# Altium PCB CL-HC-M-V2.2.PcbDoc (part 18 of 18)
Units mil, origin at the board's own origin, x right, y up, seen from the top; angles counter-clockwise.
Board outline 27559.06 x 27559.06 mil, 2 copper layers (TopLayer, BottomLayer); 684 components, 528 nets, 2380 pads, 1851 vias.
Unrouted connection lines stored in the file: 1268.
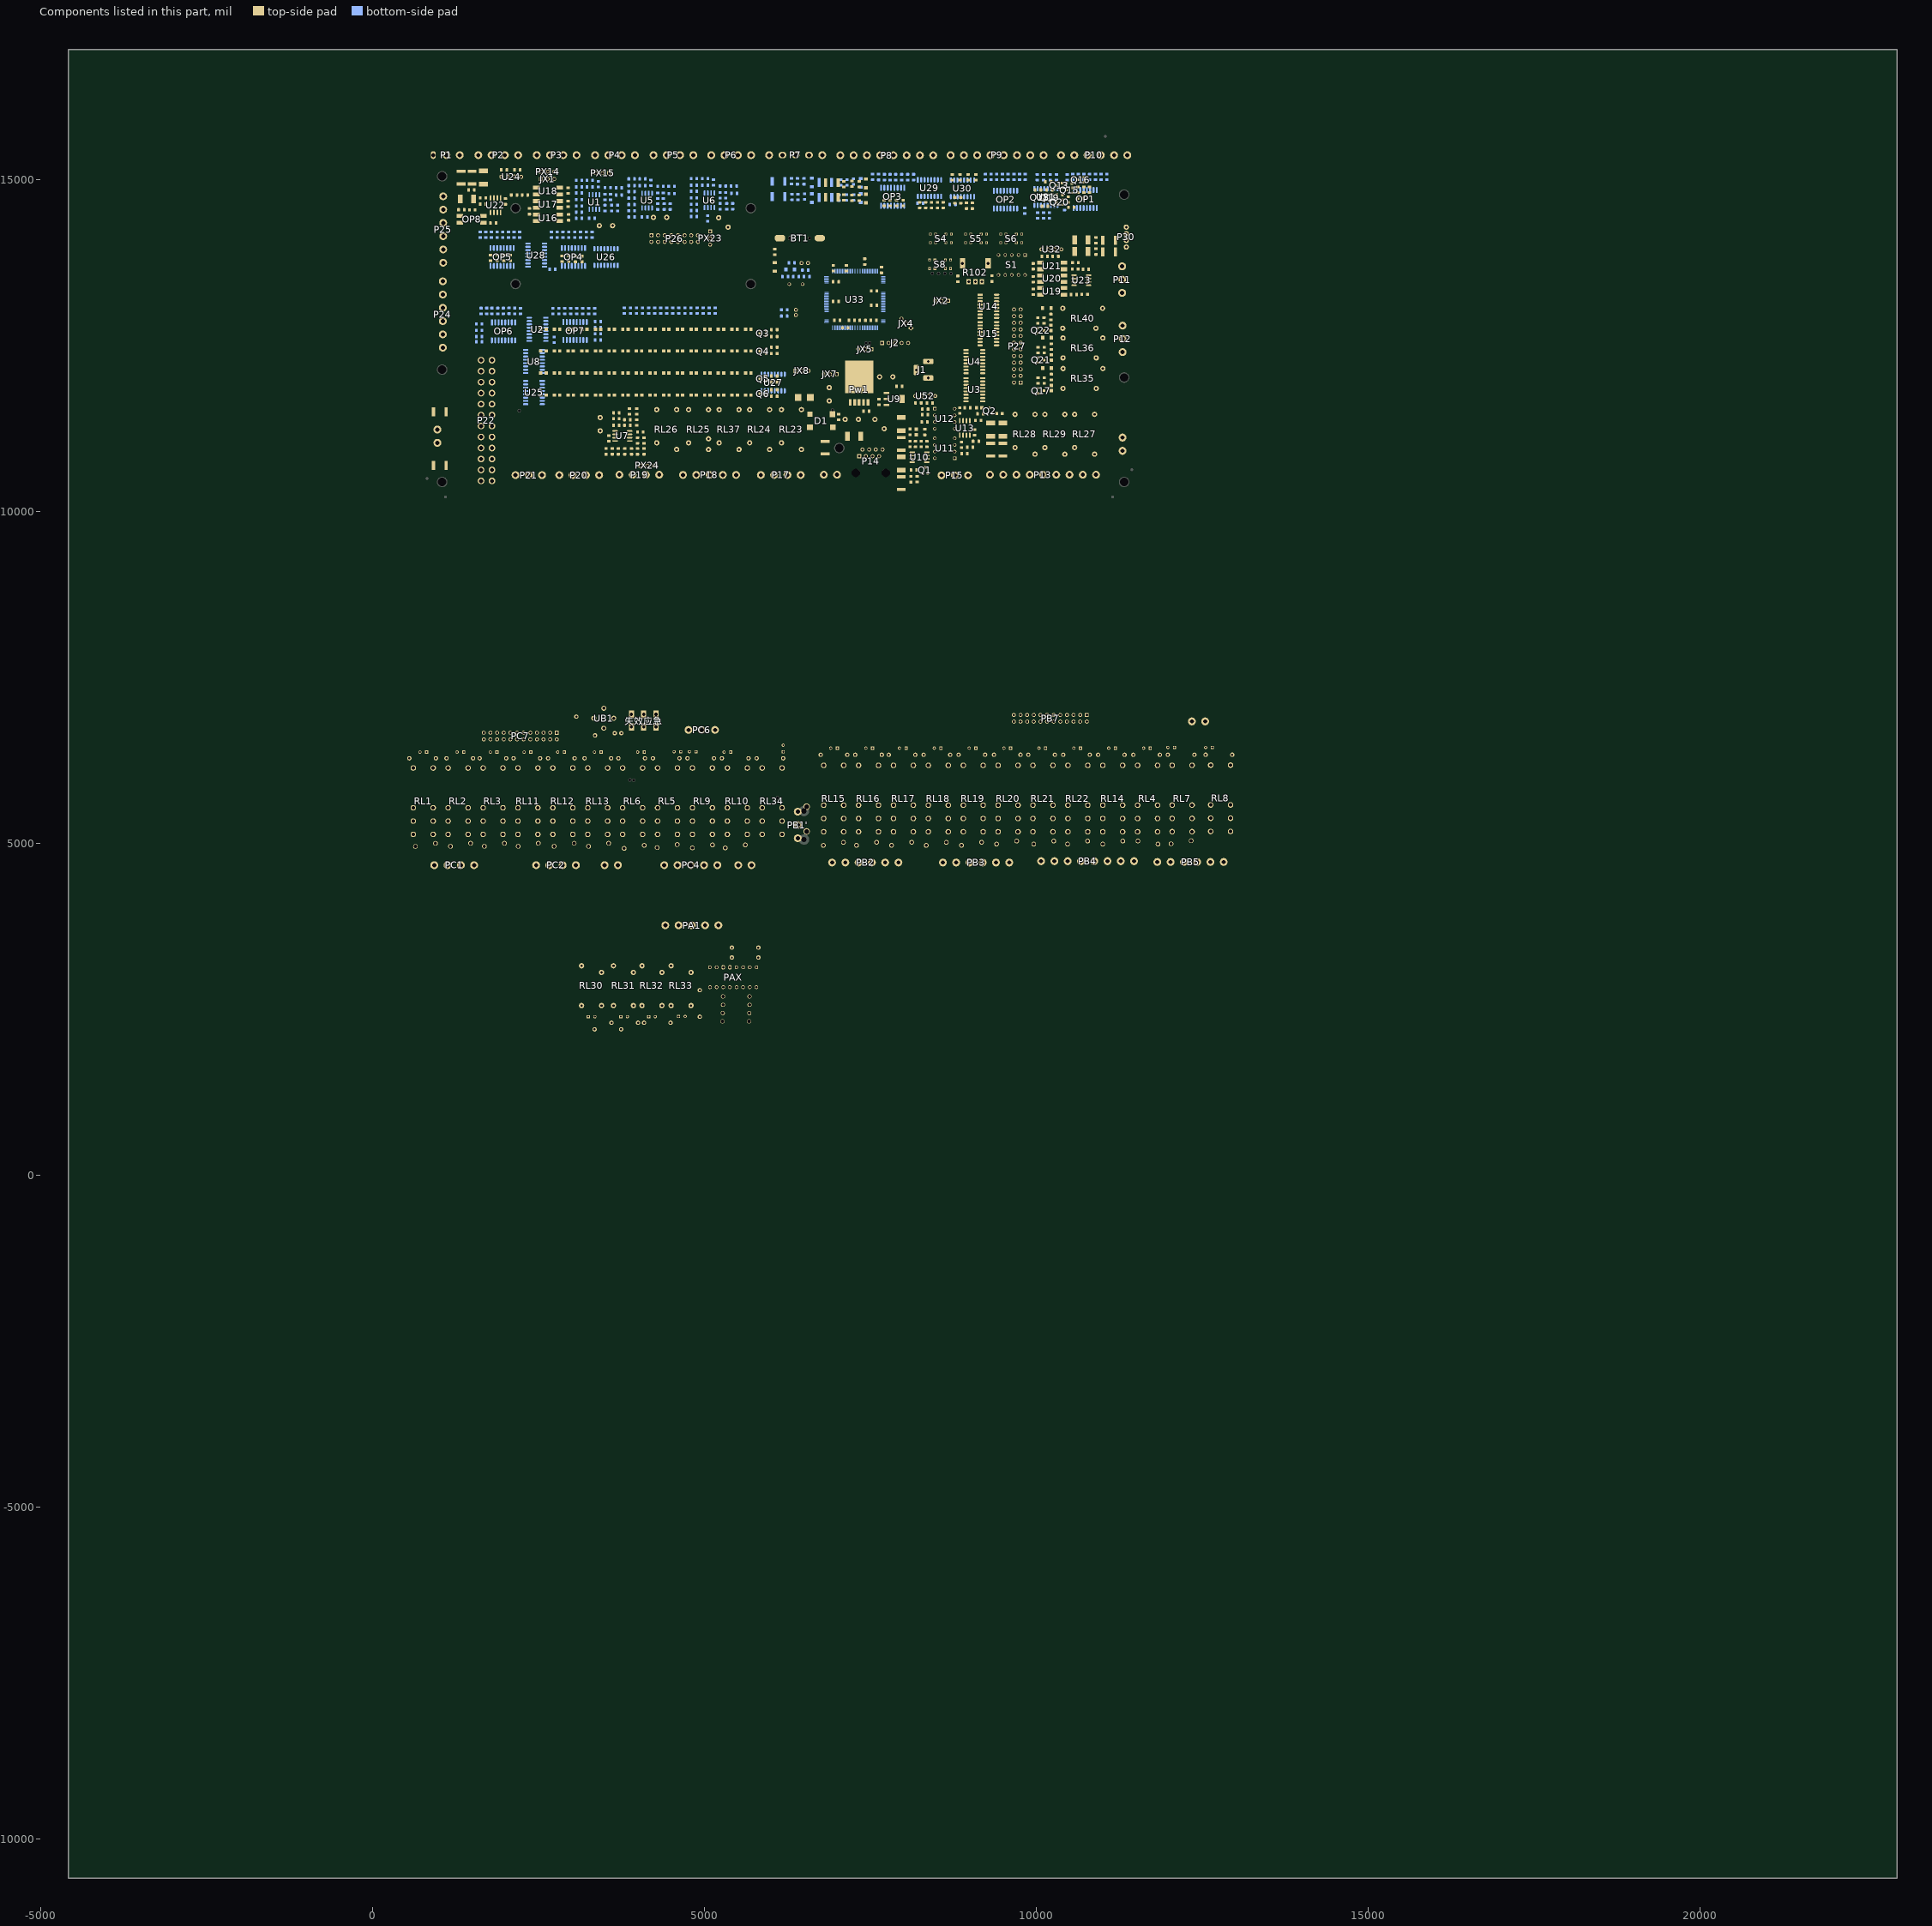
[diagram p18: the components of this part, seen from the top]

## Silkscreen, mask and mechanical layers (free items; w line width, h text height) (continued)
Mechanical1:
  circle w10: c6042.62,4207.1 r66.93
  circle w10: c6121.36,6884.27 r66.93
  circle w10: c688.29,6884.27 r66.93
  circle w10: c688.29,4207.1 r66.93
  circle w10: c12938.29,6882.3 r66.93
  circle w10: c12938.29,4205.13 r66.93
  circle w10: c8260.16,4730.17 r66.93
  circle w10: c6442.22,4205.13 r66.93
  circle w10: c6442.22,6882.3 r66.93
  circle w10: c3038.06,3439.43 r66.93
  circle w10: c6581.36,3439.43 r66.93
  circle w10: c3038.06,2297.69 r66.93
  circle w10: c6581.36,2297.69 r66.93
  circle w10: c6581.36,407.93 r66.93
  circle w10: c3038.06,407.93 r66.93
  circle w10: c6581.36,1549.66 r66.93
  circle w10: c3038.06,1549.66 r66.93
  lines w5: 750.6,10287.21 ccw(c888.4,10287.21) 888.4,10149.42 ; 750.6,15602.17 cw(c888.4,15602.17) 888.4,15739.97 ; 11360.84,10149.42 ccw(c11360.84,10287.21) 11498.63,10287.21 ; 11360.84,15739.97 cw(c11360.84,15602.17) 11498.63,15602.17
  lines w10: 452.07,4187.42 ccw(c589.86,4187.42) 589.86,4049.62 ; 452.07,6982.69 cw(c589.86,6982.69) 589.86,7120.49 ; 2919.95,309.5 ccw(c3057.74,309.5) 3057.74,171.71 ; 2919.95,1923.68 cw(c3057.74,1923.68) 3057.74,2061.47 cw(c3057.74,2199.27) 2919.95,2199.27 ; 2919.95,3813.44 cw(c3057.74,3813.44) 3057.74,3951.24 ; 6141.04,4049.62 ccw(c6141.04,4187.42) 6278.84,4187.42 ccw(c6416.63,4187.42) 6416.63,4049.62 ; 6141.04,7120.49 cw(c6141.04,6982.69) 6278.84,6982.69 cw(c6416.63,6982.69) 6416.63,7120.49 ; 6561.68,171.71 ccw(c6561.68,309.5) 6699.47,309.5 ; 6561.68,3951.24 cw(c6561.68,3813.44) 6699.47,3813.44 ; 6699.47,1923.68 ccw(c6561.68,1923.68) 6561.68,2061.47 ccw(c6561.68,2199.27) 6699.47,2199.27 ; 7002.85,3977.86 7461.12,3977.86 ; 12912.7,4049.62 ccw(c12912.7,4187.42) 13050.49,4187.42 ; 12912.7,7120.49 cw(c12912.7,6982.69) 13050.49,6982.69 ; 2919.95,2061.47 2919.95,3951.24 6699.47,3951.24 6699.47,2061.47 ; 2919.95,2061.47 6699.47,2061.47 ; 2919.95,2061.47 2919.95,171.71 6699.47,171.71 6699.47,2061.47 ; 2919.95,2061.47 6699.47,2061.47 ; 6278.84,4049.62 6278.84,7120.49 ; 6278.84,4049.62 452.07,4049.62 452.07,7120.49 6278.84,7120.49 ; 6278.84,4049.62 6278.84,7120.49 ; 6278.84,4049.62 13050.49,4049.62 13050.49,7120.49 6278.84,7120.49 ; 750.6,10149.42 750.6,15739.97 11498.63,15739.97 11498.63,10149.42 750.6,10149.42
  text "PCB名称: CL-HC-C-V2.0" at 577.36,8476.09 h120
  text "PCB名称: CL-HC-V1.5-B" at 6443.51,8476.09 h120
  text "尺寸： 14.8CM*7.8CM" at 577.48,8338.18 h120
  text "尺寸： 17.2CM*7.8CM" at 6443.62,8338.18 h120
  text "板材：  FR4" at 577.48,8199.25 h120
  text "板材：  FR4" at 6443.62,8199.25 h120
  text "板子层数：  2" at 577.48,8061.11 h120
  text "板子层数：  2" at 6443.62,8061.11 h120
  text "板子厚度：  1.6" at 577.48,7921.95 h120
  text "板子厚度：  1.6" at 6443.62,7921.95 h120
  text "阻焊颜色：  蓝色" at 577.36,7783.7 h120
  text "阻焊颜色：  蓝色" at 6443.51,7783.7 h120
  text "铜箔厚度：  h/hoz" at 577.36,7644.54 h120
  text "铜箔厚度：  h/hoz" at 6443.51,7644.54 h120
  text "阻焊覆盖：  过孔盖油" at 577.36,7505.72 h120
  text "阻焊覆盖：  过孔盖油" at 6443.51,7505.72 h120
  text "字符颜色：  白色" at 577.48,7367.59 h120
  text "字符颜色：  白色" at 6443.62,7367.59 h120
  text "焊盘喷镀：  有铅喷锡" at 577.48,7228.54 h120
  text "焊盘喷镀：  有铅喷锡" at 6443.62,7228.54 h120
  text "PCB名称: CL-HC-A-V2.0" at 1694.07,3594.24 h120
  text "尺寸： 9.6CM*9.6CM" at 1694.18,3456.33 h120
  text "板材：  FR4" at 1694.18,3317.4 h120
  text "板子层数：  2" at 1694.18,3179.27 h120
  text "板子厚度：  1.6" at 1694.18,3040.1 h120
  text "阻焊颜色：  蓝色" at 1694.07,2901.86 h120
  text "铜箔厚度：  h/hoz" at 1694.07,2762.69 h120
  text "阻焊覆盖：  过孔盖油" at 1694.07,2623.87 h120
  text "字符颜色：  白色" at 1694.18,2485.74 h120
  text "焊盘喷镀：  有铅喷锡" at 1694.18,2346.69 h120
Mechanical15:
  lines w4: 2037.32,13270.64 2037.32,15042.29 5816.85,15042.29 5816.85,13270.64 2037.32,13270.64
DrillDrawing:
  text ".legend" at 19403.66,13999.22 h80
  text ".legend" at 13432.7,1313.99 h80

## Text inside footprints (layer, text, board x,y; h text height)
C45: TopOverlay "+" at 6822.38,11646.61 h60 r90
C46: TopOverlay "+" at 7598.02,11444.93 h60 r315
C49: TopOverlay "+" at 7858.56,11990.17 h60 r180
C85: TopOverlay "+" at 5231.51,14467.86 h60 r315
C86: TopOverlay "+" at 3399.33,14346.03 h60
C87: TopOverlay "+" at 4214.27,14471.26 h60
C88: TopOverlay "+" at 3391.15,11198.87 h60 r90
LX1: TopOverlay "+" at 3583.54,6601.91 h60 r270
S4: TopOverlay "3" at 8626.46,14224.24 h59.06; TopOverlay "2" at 8545.2,14223.62 h59.06; TopOverlay "1" at 8468.21,14225.46 h59.06
S5: TopOverlay "1" at 8998.21,14225.46 h59.06; TopOverlay "2" at 9075.2,14223.62 h59.06; TopOverlay "3" at 9156.46,14224.24 h59.06
S6: TopOverlay "3" at 9686.46,14224.24 h59.06; TopOverlay "2" at 9605.2,14223.62 h59.06; TopOverlay "1" at 9528.21,14225.46 h59.06
S8: TopOverlay "1" at 8458.21,13835.46 h59.06; TopOverlay "2" at 8535.2,13833.62 h59.06; TopOverlay "3" at 8616.46,13834.23 h59.06
UB1: TopOverlay "~" at 3464.9,6905.37 h60; TopOverlay "-" at 3556.46,6855 h60; TopOverlay "+" at 3376.4,6855.48 h60; TopOverlay "~" at 3464.9,6745.37 h60